# Altium PCB controller_V1.3.PcbDoc (part 1 of 6) (continued)
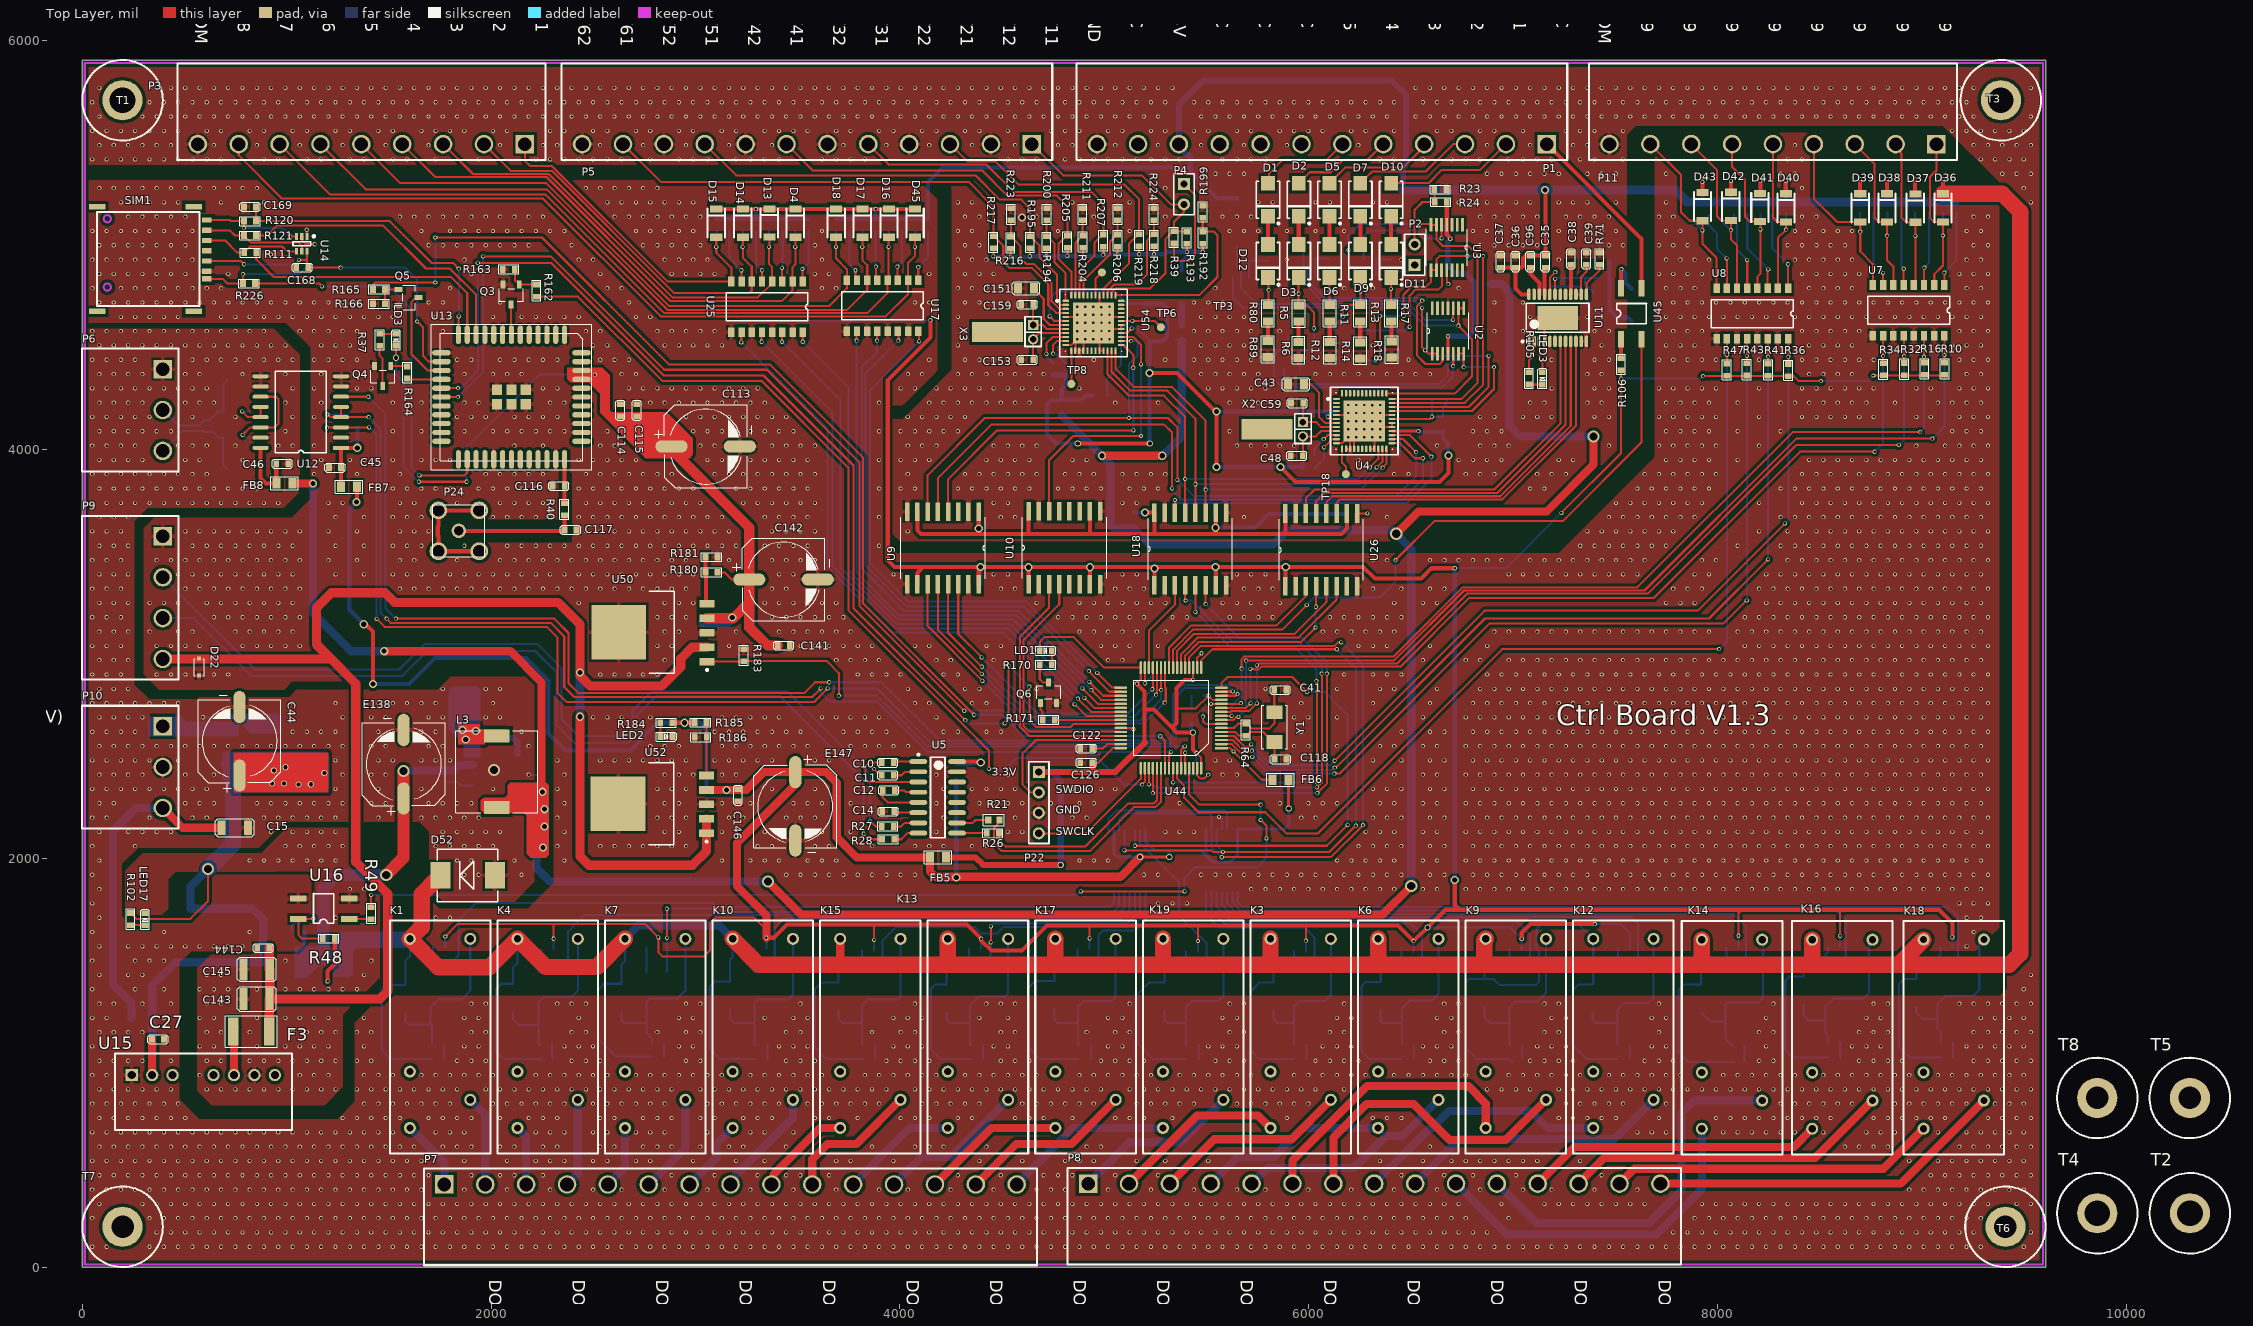
[diagram p0: Top Layer view]
## Components (designator, comment, footprint, x,y, rotation, side; value= is the part's Value field where it differs from the comment) (continued)
D42 "LL4148" DO-213AB/LL34/MiniMELF 8066,5189 r270 top
D43 "LL4148" DO-213AB/LL34/MiniMELF 7927,5188 r270 top
D45 "LL4148" DO-213AB/LL34/MiniMELF 4074.61,5107.11 r270 top
D49 "LL4148" DO-213AB/LL34/MiniMELF 1580.85,1310 r270 bottom
D52 "SMCJ36CA" SMC 2018.75,1916 r180 top
D69 "5.1V" SMA 3041,2996.52 r90 bottom
D71 "5.1V" SMA 3054.52,2176.67 r90 bottom
D72 "SS14" DO-214AC 5379,4795 r90 bottom
D75 "SMCJ36CA" SMC 6195.13,5270.07 r0 bottom
D76 "SMCJ36CA" smc 5917.75,5229 r180 bottom
D78 "SMBJ6.5A" SMB 887.02,3905 r180 bottom
D79 "SMBJ6.5A" SMB 887.85,4340 r180 bottom
E13 "10uF/16V" C3528 5198.85,4713 r90 bottom
E14 "10uF/16V" C3528 6442.17,4089 r90 bottom
E138 "100uF/50V" Φ10×10 1572,2460 r180 top value=100pF
E147 "47uF/50V" Φ10×10 3488.85,2254 r0 top value=100pF
F1 "1.5A" 1812-F 893.85,2641.17 r270 bottom
F2 "1A" 0805r 5379,4529.26 r90 bottom
F3 "3A" 1812-F 737.83,1153 r0 top
F4 "1A" 1812-F 895.83,1491 r0 bottom
F7 "SMD1210P020TS" 1206R 818.85,4186 r180 bottom
F8 "SMD1210P020TS" 1206R 816.8,4058 r180 bottom
FB1 "JWWBW2012 M600HT" 0805R 5896.85,3605 r90 bottom
FB2 "JWWBW2012 M600HT" 0805R 4792.17,4165.42 r90 bottom
FB3 "JWWBW2012 M600HT" 0805R 5146.85,3612 r90 bottom
FB4 "JWWBW2012 M600HT" 0805R 6890,4809 r180 bottom
FB5 "JWWBW2012 M600HT" 0805R 4148,2004 r0 top
FB6 "JWWBW2012 M600HT" 0805R 5901.85,2384 r180 top
FB7 "JWWBW2012 M600HT" 0805CZ 1265,3818 r0 top
FB8 "JWWBW2012 M600HT" 0805CZ 950,3834 r0 top
FB9 "JWWBW2012 M600HT" 0805R 4276,2383 r90 bottom
K1 "G2RL-1-H" G2RL-1-H 1898.13,1605.61 r270 top
K3 "G2RL-1-H" G2RL-1-H 6108.83,1605.61 r270 top
K4 "G2RL-1-H" G2RL-1-H 2424.45,1605.61 r270 top
K6 "G2RL-1-H" G2RL-1-H 6635.17,1605.61 r270 top
K7 "G2RL-1-H" G2RL-1-H 2950.8,1605.61 r270 top
K9 "G2RL-1-H" G2RL-1-H 7161.51,1605.61 r270 top
K10 "G2RL-1-H" G2RL-1-H 3477.14,1605.61 r270 top
K12 "G2RL-1-H" G2RL-1-H 7687.85,1605.61 r270 top
K13 "G2RL-1-H" G2RL-1-H 4529.82,1605.61 r270 top
K14 "G2RL-1-H" G2RL-1-H 8219.28,1601.61 r270 top
K15 "G2RL-1-H" G2RL-1-H 4003.48,1605.61 r270 top
K16 "G2RL-1-H" G2RL-1-H 8759,1601.61 r270 top
K17 "G2RL-1-H" G2RL-1-H 5056.16,1605.61 r270 top
K18 "G2RL-1-H" G2RL-1-H 9304,1602 r270 top
K19 "G2RL-1-H" G2RL-1-H 5582.5,1605.61 r270 top
L3 "CDRH105NP-100NC" CDRH105 1827.06,2623.98 r0 top
LD1 "LED_Green_19-217" 0603led 4685,3015 r0 top value=19-217/G7C-AN1P2/3T
LD3 "LED_Green_19-217" 0603led 1535.09,4506.99 r90 top value=19-217/G7C-AN1P2/3T
LED2 "5V" 0603LED 2828.85,2595 r0 top
LED3 "LED" 0603LED 7143.46,4318 r90 top
LED17 "5V" 0603LED 307,1672 r90 top
P1 "MHDR1X12" 2ETYR-5.08-12P-14-100 7165.35,5494 r180 top
P2 "Header 2" HDR1X2 6519,4903 r90 top
P3 "Header 9" 2ETYR-5.08-09P-14-100 2165.35,5494 r180 top
P4 "Header 2" HDR1X2 5390,5299 r270 top
P5 "MHDR1X12" 2ETYR-5.08-12P-14-100 4645.67,5494 r180 top
P6 "Header 3" 2ETYR-5.08-03P-14-100 393.86,4393 r270 top
P7 "MHDR1X15" 2ETYR-5.08-15P-14-100 1771.65,404 r0 top
P8 "MHDR1X15" 2ETYR-5.08-15P-14-100 4921.26,408 r0 top
P9 "Header 4" 2ETYR-5.08-04P-14-100 393.86,3575 r270 top
P10 "Header 3" 2ETYR-5.08-03P-14-100 393.85,2646 r270 top
P11 "Header 9" 2ETYR-5.08-09P-14-100 9072,5494.02 r180 top
P22 "Header 4" HDR1X4 4680,2422 r270 top
P24 "Header 5" KH-SMA-KE-Z 1842,3602 r0 top
Q1 "SQ3419AEEV-T1_GE3" VISH-TSOP-6_V 1238,1493.79 r90 bottom
Q2 "SQ3419AEEV-T1_GE3" VISH-TSOP-6_V 690.06,2652.4 r0 bottom
Q3 "MMBT3904" SOT23-3 2137.59,4807 r90 top
Q4 "MMBT3904" SOT23-3 1509.09,4407.89 r90 top
Q5 "MMBT3904" SOT23-3 1547.01,4783.09 r180 top
Q6 "MMBT3904" SOT23-3 4688.48,2760.58 r270 top
Q11 "MMBT3904" SOT23-3 7393.54,4764 r90 bottom
R1 "51K" 0603R#1 6102.54,4933.31 r270 bottom
R2 "51K" 0603R#1 5974.96,4934.1 r0 bottom
R3 "51K" 0603R#1 6402.79,4929.6 r270 bottom
R4 "51K" 0603R#1 6269.78,4931 r0 bottom
R5 "49.9R_1%" 0805R 5950.92,4626 r90 top
R6 "49.9R_1%" 0805R 5950.48,4447.56 r90 top
R7 "51K" 0603R#1 5806.79,4923.6 r270 bottom
R8 "51K" 0603R#1 5649.74,4922.6 r0 bottom
R9 "3.3K" 0603R#1 9171,5160 r90 bottom
R10 "5.1K" 0603R#1 9112,4366 r90 top
R11 "49.9R_1%" 0805R 6102.54,4627 r90 top
R12 "49.9R_1%" 0805R 6104.48,4446.56 r90 top
R13 "49.9R_1%" 0805R 6253.17,4627 r90 top
R14 "49.9R_1%" 0805R 6252.48,4444.56 r90 top
R15 "3.3K" 0603R#1 9035.57,5160 r90 bottom
R16 "5.1K" 0603R#1 9013,4366 r90 top
R17 "49.9R_1%" 0805R 6403.79,4627 r90 top
R18 "49.9R_1%" 0805R 6406.48,4450.3 r90 top
R19 "5.1K" 0603R#1 5222.17,4529 r180 bottom
R20 "1.5K" 0603R#1 5969,3975 r0 bottom
R21 "4.7K" 0603R#2 4459.85,2187 r0 top value=100
R22 "100K" 0603R#1 5393,2470 r270 bottom
R23 "51K" 0603R#1 6674.06,5272 r180 top
R24 "51K" 0603R#1 6616.94,5211 r0 top
R25 "10K" 0603r 1027,1641 r0 bottom
R26 "4.7K" 0603R#1 4425.85,2123 r0 top value=100
R27 "1K" 0603R#1 3970.91,2156 r180 top
R28 "1K" 0603R#1 3971.85,2093 r180 top
R29 "51K" 0603R#1 6026.79,4486.6 r90 bottom
R30 "51K" 0603R#1 5898.79,4485.6 r0 bottom
R31 "3.3K" 0603R#1 8900.14,5160 r90 bottom
R32 "5.1K" 0603R#1 8914,4364 r90 top
R33 "3.3K" 0603R#1 8764.71,5160 r90 bottom
R34 "5.1K" 0603R#1 8812,4363 r90 top
R35 "3.3K" 0603R#1 8268.33,5151.94 r90 bottom
R36 "5.1K" 0603R#1 8347,4358.94 r90 top
R37 "1K" 0603R#1 1455.09,4566.99 r270 top
R38 "3.3K" 0603R#1 8146,5151.94 r90 bottom
R39 "100" 0603R#1 5340.95,5066.95 r270 top
R40 "0" 0603r 2358.85,3736.43 r270 top value=1K
R41 "5.1K" 0603R#1 8248,4359.94 r90 top
R42 "3.3K" 0603R#1 8082,5148.94 r90 bottom
R43 "5.1K" 0603R#1 8144,4361.94 r90 top
R44 "51K" 0603R#1 6124,4522 r90 bottom
R45 "51K" 0603R#1 6252.06,4520 r180 bottom
R46 "3.3K" 0603R#1 7956.53,5148 r90 bottom
R47 "5.1K" 0603R#1 8046,4359.94 r90 top
R48 "100" 0603R#1 1235.06,1607 r180 top
R49 "510" 0603R#1 1413,1701.94 r90 top
R64 "1M" 0603R#1 5692.95,2659 r270 top
R71 "15K/0.1%" 0603R#1 7423.54,4904 r90 top
R72 "1K" 0603R#1 7414.48,4839 r0 bottom
R73 "5.1K" 0603R#1 5969.94,3909 r0 bottom
R75 "5.1K" 0603R#1 4812.17,4364 r90 bottom
R76 "1K" 0603R#1 1288.94,4171 r0 bottom
R80 "49.9R_1%" 0805R 5801.29,4627 r90 top
R81 "3.3K" 0603R#1 3553.61,5069.06 r90 bottom
R82 "5.1K" 0603R#1 3525,4629.79 r270 bottom
R86 "3.3K" 0603R#1 3424.75,5069.06 r90 bottom
R87 "5.1K" 0603R#1 3423.5,4629.79 r270 bottom
R89 "49.9R_1%" 0805R 5799.48,4451.3 r90 top
R92 "3.3K" 0603R#1 3295.89,5069.06 r90 bottom
R93 "5.1K" 0603R#1 3324.06,4629.79 r270 bottom
R96 "3.3K" 0603R#1 3167.04,5069.06 r90 bottom
R97 "5.1K" 0603R#1 3227.18,4629.79 r270 bottom
R102 "5.1K" 0603R#1 235.85,1673 r90 top
R105 "1.5K" 0603R#1 7078.46,4377.05 r270 top
R106 "510" 0603R#1 7528.54,4446.1 r270 top
R107 "510" 0603R#1 1716.8,1565 r0 bottom
R108 "3.3K" 0603R#1 4138.61,5069.06 r90 bottom
R109 "5.1K" 0603R#1 4094,4631.06 r270 bottom
R110 "120" 0603R#1 596.85,4144 r270 bottom
R111 "10R/5%" 0603r 791.94,4963 r0 top value=10R
R113 "3.3K" 0603R#1 4010.04,5069.06 r90 bottom
R114 "5.1K" 0603R#1 3993,4634.79 r270 bottom
R115 "3.3K" 0603R#1 3881.46,5069.06 r90 bottom
R116 "5.1K" 0603R#1 3888.94,4634.79 r270 bottom
R117 "3.3K" 0603R#1 3752.89,5069.06 r90 bottom
R118 "5.1K" 0603R#1 3788.47,4634.79 r270 bottom
R120 "10R/5%" 0603r 790.8,5117 r0 top value=10R
R121 "10R/5%" 0603r 790.8,5047 r0 top value=10R
R122 "51K" 0603R#1 1769.85,1017.31 r180 bottom
R123 "51K" 0603R#1 8599.06,1026.15 r180 bottom
R124 "510" 0603R#1 8541,1566.15 r0 bottom
R125 "51K" 0603R#1 2305.85,1017.31 r180 bottom
R126 "51K" 0603R#1 9152.06,1025.15 r180 bottom
R127 "510" 0603R#1 2246.8,1554 r0 bottom
R128 "510" 0603R#1 9091,1565.15 r0 bottom
R129 "51K" 0603R#1 2845,1030 r180 bottom
R131 "510" 0603R#1 2759.8,1561 r0 bottom
R133 "51K" 0603R#1 3352.09,1017.31 r180 bottom
R135 "510" 0603R#1 3287.8,1559 r0 bottom
R137 "51K" 0603R#1 4406.91,1017.31 r180 bottom
R139 "510" 0603R#1 4338.8,1555 r0 bottom
R141 "51K" 0603R#1 3879.5,1017.31 r180 bottom
R142 "510" 0603R#1 3814.8,1548 r0 bottom
R145 "51K" 0603R#1 4931.85,1017.31 r180 bottom
R147 "510" 0603R#1 4869.85,1556 r0 bottom
R149 "51K" 0603R#1 5461.73,1017.31 r180 bottom
R150 "510" 0603R#1 5398.85,1543 r0 bottom
R151 "51K" 0603R#1 5987.85,1017.31 r180 bottom
R152 "510" 0603R#1 5927.85,1545 r0 bottom
R153 "51K" 0603R#1 6516.55,1017.31 r180 bottom
R154 "510" 0603R#1 6454.85,1542 r0 bottom
R155 "51K" 0603R#1 7043.97,1017.31 r180 bottom
R156 "510" 0603R#1 6983.8,1553 r0 bottom
R157 "51K" 0603R#1 7572.91,1017.31 r180 bottom
R158 "510" 0603R#1 7512.85,1556 r0 bottom
R159 "51K" 0603R#1 8137.06,1002.15 r180 bottom
R160 "510" 0603R#1 8044.22,1560.38 r0 bottom
R162 "4.7K" 0603R#1 2222,4748 r90 top value=1K
R163 "47K" 0603r 2057,4881 r0 top value=1K
R164 "1K" 0603r 1590.09,4346.99 r90 top
R165 "4.7K" 0603R#1 1422.01,4783.09 r0 top value=1K
R166 "47K" 0603r 1422.01,4713.09 r0 top value=1K
R168 "10K" 0603R#1 5482.95,2659 r180 bottom
R170 "1K" 0603r 4743.57,2946.74 r180 top
R171 "1K" 0603r 4757.91,2677 r180 top
R179 "100K" 0603R#1 1783.85,2373.95 r90 bottom
R180 "120K/1%" 0603R#1 3108,3399 r180 top
R181 "51K/1%" 0603R#1 3108,3474 r180 top
R183 "100K/1%" 0603R#1 3236,3023.06 r270 top
R184 "1K" 0603R#1 2827.85,2663 r0 top
R185 "120K/1%" 0603R#1 2995,2664 r0 top
R186 "71.5K/1%" 0603R#1 2995.8,2592 r0 top
R189 "5.1K" 0603R#1 5222.17,4459 r180 bottom
R190 "1.5K" 0603R#1 4752.17,4364 r90 bottom
R192 "1K" 0603R#1 5481.95,5065.84 r270 top
R193 "1K" 0603R#1 5403.95,5065.84 r270 top
R194 "1K" 0603R#1 4717.51,5043.74 r270 top
R195 "1K" 0603R#1 4636.51,5043.69 r270 top
R199 "1K" 0603R#1 5481.95,5192.84 r270 top
R200 "1K" 0603R#1 4718.51,5180.69 r270 top
R204 "1K" 0603R#1 4895.51,5045.69 r270 top
R205 "1K" 0603R#1 4819.51,5045.69 r270 top
R206 "1K" 0603R#1 5065.51,5051.69 r270 top
R207 "1K" 0603R#1 4995.51,5051.69 r270 top
R211 "1K" 0603R#1 4894,5180.69 r270 top
R212 "1K" 0603R#1 5065.51,5180.69 r270 top
R216 "1K" 0603R#1 4541.51,5040.58 r270 top
R217 "1K" 0603R#1 4457.51,5042.84 r270 top
R218 "1K" 0603R#1 5243.51,5053.69 r270 top
R219 "1K" 0603R#1 5170.51,5053.69 r270 top
R223 "1K" 0603R#1 4543.51,5180.69 r270 top
R224 "1K" 0603R#1 5242.51,5180.69 r270 top
R226 "10R/5%/NC" 0603r 785.95,4812 r0 top value=10R
R227 "10K" 0603R#1 1286.94,4107 r0 bottom
SIM1 "nano sim" "NANO SIM" 609.02,4834.85 r270 top
T1 "TP" M3 196.85,5708.66 r0 top
T2 "TP" M3 10311.75,263 r0 top
T3 "TP" M3 9387,5708.66 r0 top
T4 "TP" M3 9858.75,263 r0 top
T5 "TP" m2.5 10311.75,827 r0 top
T6 "TP" m2.5 9409.45,196.85 r0 top
T7 "TP" m2.5 196.85,196.85 r0 top
T8 "TP" m2.5 9858.75,827 r0 top
TP1 "TEST_POINT" TPD 6604.74,4247.27 r90 bottom
TP3 "TEST_POINT" TPD 4989,4866 r270 top
TP6 "TEST_POINT" TPD 5276.85,4598 r270 top
TP8 "TEST_POINT" TPD 4838.9,4320.69 r270 top
TP18 "TEST_POINT" TPD 6182.17,3879 r180 top
U1 "LT1790-2.5" SOT23-6 6705.69,4122 r180 bottom
U2 "TLV2454IPW" TSSOP14 6682,4580 r90 top
U3 "TLV2454IPW" TSSOP14 6676,4988 r270 top
U4 "ADS1158" S-PVFQN-N48 6272.17,4139 r0 top
U5 "MAX3232ESE+" SOIC127P600X265-16N 4185.34,2298 r0 top
U6 "LM22676MRE-5.0/NOPB" SOP127P600X168_HS-8N 2013.85,2431 r180 bottom
U7 "TLP291-4" SOP16-T 9111,4805.03 r270 top
U8 "TLP291-4" SOP16-T 8346,4789 r270 top
U9 "ISO7241C" SOIC16 4220.85,3512.9 r270 top
U10 "ISO7241C" SOIC16 4794.85,3523.9 r90 top
U11 "AD5410AREZ-REEL7" AD5410AREZ-REEL7 7218.54,4644 r90 top
U12 "ISO3080" SO-16 1266,4008 r180 top
U13 "AIR780EX" AIR780EX 2099.85,4256.43 r270 top
U14 "SMF05C" sc70-6l 1074,5006 r270 top
U15 "VRB2405S-6WR3" PWRM-TH_VRB2405S-6WR3 592,939 r0 top
U16 "AQY210S" sop4 1306,1703 r180 top
U17 "TLP291-4" SOP16-T 4090.5,4827.11 r270 top
U18 "ISO7241C" SOIC16 5410.85,3517.9 r90 top
U19 "AQY210S" sop4 8528,1454.15 r270 bottom
U20 "AQY210S" sop4 2231.85,1443 r270 bottom
U21 "AQY210S" sop4 9078,1463.15 r270 bottom
U22 "SN74HC595DBR" SSOP16 5669.21,1892 r90 bottom
U23 "AQY210S" sop4 2759.85,1443 r270 bottom
U25 "TLP291-4" SOP16-T 3525.5,4822.11 r270 top
U26 "ADUM1400" SOIC16 6051.85,3513.87 r90 top
U28 "SN74HC595DBR" SSOP16 5217.8,1884.91 r90 bottom
U29 "AQY210S" sop4 3287.85,1443 r270 bottom
U31 "AQY210S" sop4 4343.85,1443 r270 bottom
U33 "AQY210S" sop4 3815.85,1443 r270 bottom
U35 "AQY210S" sop4 4871.85,1443 r270 bottom
U37 "AQY210S" sop4 5399.85,1443 r270 bottom
U38 "AQY210S" sop4 5927.85,1443 r270 bottom
U39 "AQY210S" sop4 6455.85,1443 r270 bottom
U40 "AQY210S" sop4 6983.85,1443 r270 bottom
U41 "AQY210S" sop4 7511.85,1443 r270 bottom
U42 "AQY210S" sop4 8039,1450.15 r270 bottom
U44 "STM32F405RGT6" LQFP-64 5572.95,2539 r180 top
U45 "AQY210S" sop4 7528.54,4539 r90 top
U46 "AQY210S" sop4 1703.85,1443 r270 bottom
U50 "MIC29302" TO228P1435X457-6N 3057.07,2961.47 r180 top
U52 "MIC29302" TO228P1435X457-6N 3054.52,2121.55 r180 top
U54 "ADS1158" S-PVFQN-N48 4947.17,4619 r0 top
U56 "LT1790-2.5" SOT23-6 4978.17,4216.42 r90 bottom
X2 "32768" A 5972.17,4134 r270 top
X3 "32768" A 4652.17,4609 r270 top
Y1 "8MHz" CRAY_5032 5832.95,2569 r90 top

## Footprints (in the part's own frame and the unit in brackets; to place one, negate y for a bottom-side part, rotate by r counter-clockwise, add the part's x,y. Pads: shape width x height; smd on the part's side, far side on the other; paste and mask are expansions set on the pad)
2ETYR-5.08-03P-14-100 [mm]
  rect 2.3x2.3 hole 1.7: 1(0,0)
  round 2.3 hole 1.7: 2(5.08,0) 3(10.16,0)
  silkscreen extent -2.54,-10.04 12.7,1.96
2ETYR-5.08-04P-14-100 [mm]
  rect 2.3x2.3 hole 1.7: 1(0,0)
  round 2.3 hole 1.7: 2(5.08,0) 3(10.16,0) 4(15.24,0)
  silkscreen extent -2.54,-10.04 17.78,1.96
2ETYR-5.08-09P-14-100 [mm]
  rect 2.3x2.3 hole 1.7: 1(0,0)
  round 2.3 hole 1.7: 2(5.08,0) 3(10.16,0) 4(15.24,0) 5(20.32,0) 6(25.4,0) 7(30.48,0) 8(35.56,0) 9(40.64,0)
  silkscreen extent -2.54,-10.04 43.18,1.96
2ETYR-5.08-12P-14-100 [mm]
  rect 2.3x2.3 hole 1.7: 1(0,0)
  round 2.3 hole 1.7: 2(5.08,0) 3(10.16,0) 4(15.24,0) 5(20.32,0) 6(25.4,0) 7(30.48,0) 8(35.56,0) 9(40.64,0) 10(45.72,0) 11(50.8,0) 12(55.88,0)
  silkscreen extent -2.54,-10.04 58.42,1.96
2ETYR-5.08-15P-14-100 [mm]
  rect 2.3x2.3 hole 1.7: 1(0,0)
  round 2.3 hole 1.7: 2(5.08,0) 3(10.16,0) 4(15.24,0) 5(20.32,0) 6(25.4,0) 7(30.48,0) 8(35.56,0) 9(40.64,0) 10(45.72,0) 11(50.8,0) 12(55.88,0) 13(60.96,0) 14(66.04,0) 15(71.12,0)
  silkscreen extent -2.54,-10.04 73.66,1.96
0603C [mm]
  rect 0.7x0.85 smd: 1(0,0) 2(1.5,0)
  silkscreen extent -0.5,-0.55 2,0.55
0603c [mm]
  rect 0.7x0.85 smd: 1(0,0) 2(1.5,0)
  silkscreen extent -0.5,-0.55 2,0.55
0603led [mm]
  rect 0.7x0.85 smd: 1(0,0) 2(1.5,0)
  silkscreen extent -0.5,-0.55 2,0.55
0603LED [mm]
  rect 0.7x0.85 smd: 1(0,0) 2(1.5,0)
  silkscreen extent -0.5,-0.55 2,0.55
0603R#1 [mm]
  rect 0.7x0.85 smd: 1(0,0) 2(1.5,0)
  silkscreen extent -0.5,-0.55 2,0.55
0603R#2 [mm]
  rect 0.762x0.889 smd: 1(-0.699,0) 2(0.699,0)
  silkscreen extent -1.32,-0.69 1.32,0.69
0603r [mm]
  rect 0.7x0.85 smd: 1(0,0) 2(1.5,0)
  silkscreen extent -0.5,-0.55 2,0.55
0805C [mm]
  rect 1x1.3 smd: 1(0,0) 2(2,0)
  silkscreen extent -0.7,-0.8 2.7,0.8
0805CZ [mm]
  rect 1x1.3 smd: 1(0,0) 2(2,0)
  silkscreen extent -0.7,-0.8 2.7,0.8
0805r [mm]
  rect 1x1.3 smd: 1(0,0) 2(2,0)
  silkscreen extent -0.7,-0.8 2.7,0.8
0805R [mm]
  rect 1x1.3 smd: 1(0,0) 2(2,0)
  silkscreen extent -0.7,-0.8 2.7,0.8
1206C [mm]
  rect 1x1.8 smd: 1(0,0) 2(3.25,0)
  silkscreen extent -0.8,-1.1 4.05,1.1
1206R [mm]
  rect 1x1.8 smd: 1(0,0) 2(3.25,0)
  silkscreen extent -0.7,-1.1 3.95,1.1
1210C [mm]
  rect 1x2.7 smd: 1(0,0) 2(3.25,0)
  silkscreen extent -0.8,-1.5 4.05,1.5
1812-F [mm]
  rect 1.3x3.5 smd: 1(0,0) 2(4.5,0)
  silkscreen extent -1,-1.95 5.5,1.95
A [mil]
  round 50 hole 32: 1(70,0)
  rect 50x50 hole 32: 2(0,0)
  rect 100x250 smd: 3(34.37,-175)
  silkscreen extent -40,-40 105,40
AD5410AREZ-REEL7 [mm] "SOP, 24-Leads, Body 7.8x4.4mm (max), Pitch 0.65mm, IPC Medium Density"
  oval 1.45x0.45 smd: 1(-2.925,3.575) 2(-2.925,2.925) 3(-2.925,2.275) 4(-2.925,1.625) 5(-2.925,0.975) 6(-2.925,0.325) 7(-2.925,-0.325) 8(-2.925,-0.975) 9(-2.925,-1.625) 10(-2.925,-2.275) 11(-2.925,-2.925) 12(-2.925,-3.575) 13(2.925,-3.575) 14(2.925,-2.925) 15(2.925,-2.275) 16(2.925,-1.625) 17(2.925,-0.975) 18(2.925,-0.325) 19(2.925,0.325) 20(2.925,0.975) 21(2.925,1.625) 22(2.925,2.275) 23(2.925,2.925) 24(2.925,3.575)
  rect 3x5 smd: 25(0,0)
  silkscreen extent -3.05,-3.9 1.8,4.47, body extent -2.2,-3.9 2.2,3.9, height 2.65
AIR780EX [mm]
  oval 2.3x0.65 smd: 1(-7.75,6.6) 2(-7.75,5.5) 3(-7.75,4.4) 4(-7.75,3.3) 5(-7.75,2.2) 6(-7.75,1.1) 7(-7.75,0) 8(-7.75,-1.1) 9(-7.75,-2.2) 10(-7.75,-3.3) 11(-7.75,-4.4) 12(-7.75,-5.5) 13(-7.75,-6.6) 23(7.75,-6.6) 24(7.75,-5.5) 25(7.75,-4.4) 26(7.75,-3.3) 27(7.75,-2.2) 28(7.75,-1.1) 29(7.75,0) 30(7.75,1.1) 31(7.75,2.2) 32(7.75,3.3) 33(7.75,4.4) 34(7.75,5.5) 35(7.75,6.6)
  oval 0.65x2.3 smd: 14(-4.4,-8.7) 15(-3.3,-8.7) 16(-2.2,-8.7) 17(-1.1,-8.7) 18(0,-8.7) 19(1.1,-8.7) 20(2.2,-8.7) 21(3.3,-8.7) 22(4.4,-8.7) 36(4.4,8.7) 37(3.3,8.7) 38(2.2,8.7) 39(1.1,8.7) 40(0,8.7) 41(-1.1,8.7) 42(-2.2,8.7) 43(-3.3,8.7) 44(-4.4,8.7) 95(-5.5,-8.7) 96(5.5,-8.7) 97(5.5,8.7) 98(-5.5,8.7)
  rect 1.3x1.3 smd: 89(-0.9,1.8) 90(-0.9,0) 91(-0.9,-1.8) 92(0.9,-1.8) 93(0.9,0) 94(0.9,1.8)
  silkscreen extent -9.05,-10 9.05,10
C3528 [mil]
  rect 60x100 smd: 1(0,0) 2(135,0)
  silkscreen extent -50,-70 185,70
CDRH105 [mm]
  rect 3.2x1.6 smd: 1(5.1,-0.65) 2(5.1,-9.55)
  silkscreen extent 0,-10.2 10.2,0
CRAY_5032 [mm]
  rect 1.7x2 smd: 1(0,0) 2(3.7,0)
  silkscreen extent -0.86,-1.6 4.55,1.6
DO-213AB/LL34/MiniMELF [mm]
  rect 0.9x1.5 smd: 1(1.75,0) 2(-1.75,0)
  silkscreen extent -1.8,-1.08 1.8,1.08
DO-214AC [mm] "Molded Diode, 2-Leads, Body 4.3x2.7mm, IPC Medium Density"
  rect 1.85x1.7 smd: 1(-2.05,0) 2(2.05,0)
  silkscreen extent -2.3,-1.45 3.07,1.45, body extent -2.3,-1.45 2.3,1.45, height 2.44
G2RL-1-H [mm]
  round 1.5 hole 0.9: 1(20,0) 2(16.5,-7.5) 3(23.5,-7.5) 4(0,-7.5) 5(0,0)
  silkscreen extent -2.3,-10 26.7,2.5
HDR1X2 [mm] "Connector; Header; 2 Position"
  rect 1.5x1.5 hole 0.9: 1(0,0)
  round 1.5 hole 0.9: 2(2.54,0)
  silkscreen extent -1.27,-1.27 3.81,1.27
HDR1X4 [mm] "Connector; Header; 4 Position"
  rect 1.5x1.5 hole 0.9: 1(0,0)
  round 1.5 hole 0.9: 2(2.54,0) 3(5.08,0) 4(7.62,0)
  silkscreen extent -1.27,-1.27 8.89,1.27
KH-SMA-KE-Z [mm]
  round 1.8 hole 1.2: 1(0,0)
  round 2.2 hole 1.5: 2(-2.54,2.54) 3(2.54,2.54) 4(2.54,-2.54) 5(-2.54,-2.54)
  silkscreen extent -3.25,-3.25 3.25,3.25
LQFP-64 [mm]
  rect 1.6x0.3 smd: 1(0,0)
  oval 1.6x0.3 smd: 2(0,-0.5) 3(0,-1) 4(0,-1.5) 5(0,-2) 6(0,-2.5) 7(0,-3) 8(0,-3.5) 9(0,-4) 10(0,-4.5) 11(0,-5) 12(0,-5.5) 13(0,-6) 14(0,-6.5) 15(0,-7) 16(0,-7.5) 33(12.5,-7.5) 34(12.5,-7) 35(12.5,-6.5) 36(12.5,-6) 37(12.5,-5.5) 38(12.5,-5) 39(12.5,-4.5) 40(12.5,-4) 41(12.5,-3.5) 42(12.5,-3) 43(12.5,-2.5) 44(12.5,-2) 45(12.5,-1.5) 46(12.5,-1) 47(12.5,-0.5) 48(12.5,0)
  oval 0.3x1.6 smd: 17(2.5,-10) 18(3,-10) 19(3.5,-10) 20(4,-10) 21(4.5,-10) 22(5,-10) 23(5.5,-10) 24(6,-10) 25(6.5,-10) 26(7,-10) 27(7.5,-10) 28(8,-10) 29(8.5,-10) 30(9,-10) 31(9.5,-10) 32(10,-10) 49(10,2.5) 50(9.5,2.5) 51(9,2.5) 52(8.5,2.5) 53(8,2.5) 54(7.5,2.5) 55(7,2.5) 56(6.5,2.5) 57(6,2.5) 58(5.5,2.5) 59(5,2.5) 60(4.5,2.5) 61(4,2.5) 62(3.5,2.5) 63(3,2.5) 64(2.5,2.5)
  silkscreen extent 1.59,-8.41 10.91,0.91
m2.5 [mm]
  round 5 hole 2.8 unplated: 1(0,0)
  silkscreen extent -5,-5 5,5
M3 [mm]
  round 5 hole 3.2 unplated: 1(0,0)
  silkscreen extent -5,-5 5,5
"NANO SIM" [mm]
  rect 0.7x2.1 smd: 0(-8.97,-1.615) 0(-8.97,-13.615) 0(4.02,-1.615) 0(4.02,-13.615)
  rect 0.65x1.23 smd: 1(-2.22,0) 2(-4.76,0) 3(-7.3,0) 5(-0.95,0) 6(-3.49,0) 7(-6.03,0) 8(0,0)
  Keep-Out Layer circle w0.254: c-7.47,-12.365 r0.45
  Keep-Out Layer circle w0.254: c1.03,-12.365 r0.45
  silkscreen extent -8.33,-13.64 3.38,-0.91
PWRM-TH_VRB2405S-6WR3 [mil]
  rect 60x60 hole 39.37: 1(-350,0)
  round 60 hole 39.37: 2(-250,0) 3(-150,0) 5(50,0) 6(150,0) 7(250,0) 8(350,0)
  silkscreen extent -433,-268 433,106
S-PVFQN-N48 [mm]
  oval 0.85x0.28 smd mask+0.07: 1(-3.45,2.75) 2(-3.45,2.25) 3(-3.45,1.75) 4(-3.45,1.25) 5(-3.45,0.75) 6(-3.45,0.25) 7(-3.45,-0.25) 8(-3.45,-0.75) 9(-3.45,-1.25) 10(-3.45,-1.75) 11(-3.45,-2.25) 12(-3.45,-2.75) 25(3.45,-2.75) 26(3.45,-2.25) 27(3.45,-1.75) 28(3.45,-1.25) 29(3.45,-0.75) 30(3.45,-0.25) 31(3.45,0.25) 32(3.45,0.75) 33(3.45,1.25) 34(3.45,1.75) 35(3.45,2.25) 36(3.45,2.75)
  oval 0.28x0.85 smd mask+0.07: 13(-2.75,-3.45) 14(-2.25,-3.45) 15(-1.75,-3.45) 16(-1.25,-3.45) 17(-0.75,-3.45) 18(-0.25,-3.45) 19(0.25,-3.45) 20(0.75,-3.45) 21(1.25,-3.45) 22(1.75,-3.45) 23(2.25,-3.45) 24(2.75,-3.45) 37(2.75,3.45) 38(2.25,3.45) 39(1.75,3.45) 40(1.25,3.45) 41(0.75,3.45) 42(0.25,3.45) 43(-0.25,3.45) 44(-0.75,3.45) 45(-1.25,3.45) 46(-1.75,3.45) 47(-2.25,3.45) 48(-2.75,3.45)
  rect 5.1x5.1 smd: 49(0,0)
  silkscreen extent -4.62,-4.19 4.19,4.19, body extent -3.45,-3.45 3.45,3.45, height 0.9
sc70-6l [mm]
  rect 0.85x0.4 smd: 1(-0.925,0.65) 2(-0.925,0) 3(-0.925,-0.65) 4(0.925,-0.65) 5(0.925,0) 6(0.925,0.65)
  silkscreen extent -1.09,-1.1 0.25,1.65
sma [mm]
  rect 2x2 smd: 1(0,0) 2(4,0)
  silkscreen extent -1.3,-1.5 5.3,1.5
SMA [mm]
  rect 2x2 smd: 1(0,0) 2(4,0)
  silkscreen extent -1.3,-1.5 5.3,1.5
SMB [mm]
  rect 2.2x2.8 smd: 1(0,0) 2(4.5,0)
  silkscreen extent -1.3,-1.8 5.8,1.8
SMC [mm]
  rect 2.5x3.3 smd: 1(0,0) 2(6.75,0)
  silkscreen extent -0.35,-3.25 7.15,3.25
smc [mm]
  rect 2.5x3.3 smd: 1(0,0) 2(6.75,0)
  silkscreen extent -0.35,-3.25 7.15,3.25
SO-16 [mm]
  rect 2x0.5 smd: 1(0,0)
  oval 2x0.5 smd: 2(0,-1.27) 3(0,-2.54) 4(0,-3.81) 5(0,-5.08) 6(0,-6.35) 7(0,-7.62) 8(0,-8.89) 9(10,-8.89) 10(10,-7.62) 11(10,-6.35) 12(10,-5.08) 13(10,-3.81) 14(10,-2.54) 15(10,-1.27) 16(10,0)
  silkscreen extent 1.84,-9.53 8.17,0.64
sod323 [mm]
  rect 0.5x0.5 smd: 1(0,0) 2(2.1,0)
  silkscreen extent 0,-0.67 2.1,0.68
SOIC16 [mil]
  rect 91x22 smd: 1(-183,165) 2(-183,115) 3(-183,65) 4(-183,15) 5(-183,-35) 6(-183,-85) 7(-183,-135) 8(-183,-185) 9(173,-185) 10(173,-135) 11(173,-85) 12(173,-35) 13(173,15) 14(173,65) 15(173,115) 16(173,165)
  silkscreen extent -155,-217 145,197
SOIC127P600X265-16N [mm] "SOIC, 16-Leads, Body 10.0x4.0mm (max), Pitch 1.27mm, IPC Medium Density"
  oval 2.2x0.6 smd: 1(-2.4,4.445) 2(-2.4,3.175) 3(-2.4,1.905) 4(-2.4,0.635) 5(-2.4,-0.635) 6(-2.4,-1.905) 7(-2.4,-3.175) 8(-2.4,-4.445) 9(2.4,-4.445) 10(2.4,-3.175) 11(2.4,-1.905) 12(2.4,-0.635) 13(2.4,0.635) 14(2.4,1.905) 15(2.4,3.175) 16(2.4,4.445)
  silkscreen extent -2.52,-5 0.9,5.42, body extent -2,-5 2,5, height 2.65
sop4 [mil]
  rect 80x30 smd: 1(0,0) 2(0,-100) 3(250,-100) 4(249,0)
  silkscreen extent 76,-125 176,21
SOP16-T [mm]
  rect 1.2x0.8 smd: 1(0,0) 2(0,-1.27) 3(0,-2.54) 4(0,-3.81) 5(0,-5.08) 6(0,-6.35) 7(0,-7.62) 8(0,-8.89) 9(6.3,-8.89) 10(6.3,-7.62) 11(6.3,-6.35) 12(6.3,-5.08) 13(6.3,-3.81) 14(6.3,-2.54) 15(6.3,-1.27) 16(6.3,0)
  silkscreen extent 1.41,-9.53 4.89,0.64
SOP127P600X168_HS-8N [mm] "SOP, 8-Leads, Body 5.0x4.0mm (max), Pitch 1.27mm, IPC Medium Density"
  oval 1.75x0.6 smd: 1(-2.6,1.905) 2(-2.6,0.635) 3(-2.6,-0.635) 4(-2.6,-1.905) 5(2.6,-1.905) 6(2.6,-0.635) 7(2.6,0.635) 8(2.6,1.905)
  rect 1.9x3 smd: 9(0,0)
  silkscreen extent -2.73,-2.5 1.33,2.88, body extent -2,-2.5 2,2.5, height 1.68
SOT23-3 [mm]
  rect 1x0.6 smd: 1(0,0) 2(0,2) 3(-2.5,1)
  silkscreen extent -2.1,-0.5 -0.5,2.5
SOT23-6 [mm]
  rect 1.1x0.5 smd: 1(-1.2,0.95)
  oval 1.1x0.5 smd: 2(-1.2,0) 3(-1.2,-0.95) 4(1.2,-0.95) 5(1.2,0) 6(1.2,0.95)
  silkscreen extent -1.32,-1.5 0.25,1.92, body extent -0.87,-1.5 0.88,1.5, height 1.45
SSOP16 [mm] "SOP, 16-Leads, Body 5.1x4.5mm (max), Pitch 0.65mm, IPC Medium Density"
  rect 2x0.32 smd: 1(-1.448,-0.432)
  oval 2x0.32 smd: 2(-1.448,-1.082) 3(-1.448,-1.732) 4(-1.448,-2.382) 5(-1.448,-3.032) 6(-1.448,-3.682) 7(-1.448,-4.332) 8(-1.448,-4.982) 9(6.352,-4.982) 10(6.352,-4.332) 11(6.352,-3.682) 12(6.352,-3.032) 13(6.352,-2.382) 14(6.352,-1.732) 15(6.352,-1.082) 16(6.352,-0.432)
  silkscreen extent -2.88,-5.9 7.87,0.42
TO228P1435X457-6N [mm] "D2-PAK, 6-Pads, Body 8.6x10.2mm (max), IPC Medium Density"
  rect 1.85x0.95 smd: 1(0,0) 2(0,-1.8) 3(0,-3.6) 4(0,-5.4) 5(0,-7.2)
  rect 6.8x6.8 smd: 6(11,-3.671)
  silkscreen extent -0.13,-8.77 7.2,1.43, body extent 4.2,-8.77 12.84,1.43, height 4.57
TPD [mm]
  round 1 smd: 1(0,0)
TSSOP14 [mil]
  rect 66x14 smd: 1(-111,76.77) 2(-111,51.18) 3(-111,25.59) 4(-111,0) 5(-111,-25.59) 6(-111,-51.18) 7(-111,-76.77) 8(111,-76.77) 9(111,-51.18) 10(111,-25.59) 11(111,0) 12(111,25.59) 13(111,51.18) 14(111,76.77)
  silkscreen extent -88,-100 88,100
VISH-TSOP-6_V [mm] "SOP, 6-Leads, Body 3.05x1.5mm, Pitch 0.95mm"
  rect 0.95x0.6 smd: 1(-1.25,0.95) 2(-1.25,0) 3(-1.25,-0.95) 4(1.25,-0.95) 5(1.25,0) 6(1.25,0.95)
  silkscreen extent -1.37,-1.5 0.25,1.93, body extent -1.35,-1.5 1.35,1.5, height 1
Φ10×10 [mm]
  oval 1.524x4 smd: 1(0,4.25) 2(0,-4.25)
  silkscreen extent -5.15,-5.71 5.15,6.35